# Altium PCB display.PcbDoc (part 3 of 5)
Units mm, origin at the board's own origin, x right, y up, seen from the top; angles counter-clockwise.
Board outline 150 x 85 mm, 4 copper layers (Component Side, Inner, GND1, Bottom Layer), stack 1.669 mm thick; 347 components, 347 nets, 1334 pads, 795 vias.
Unrouted connection lines stored in the file: 15.
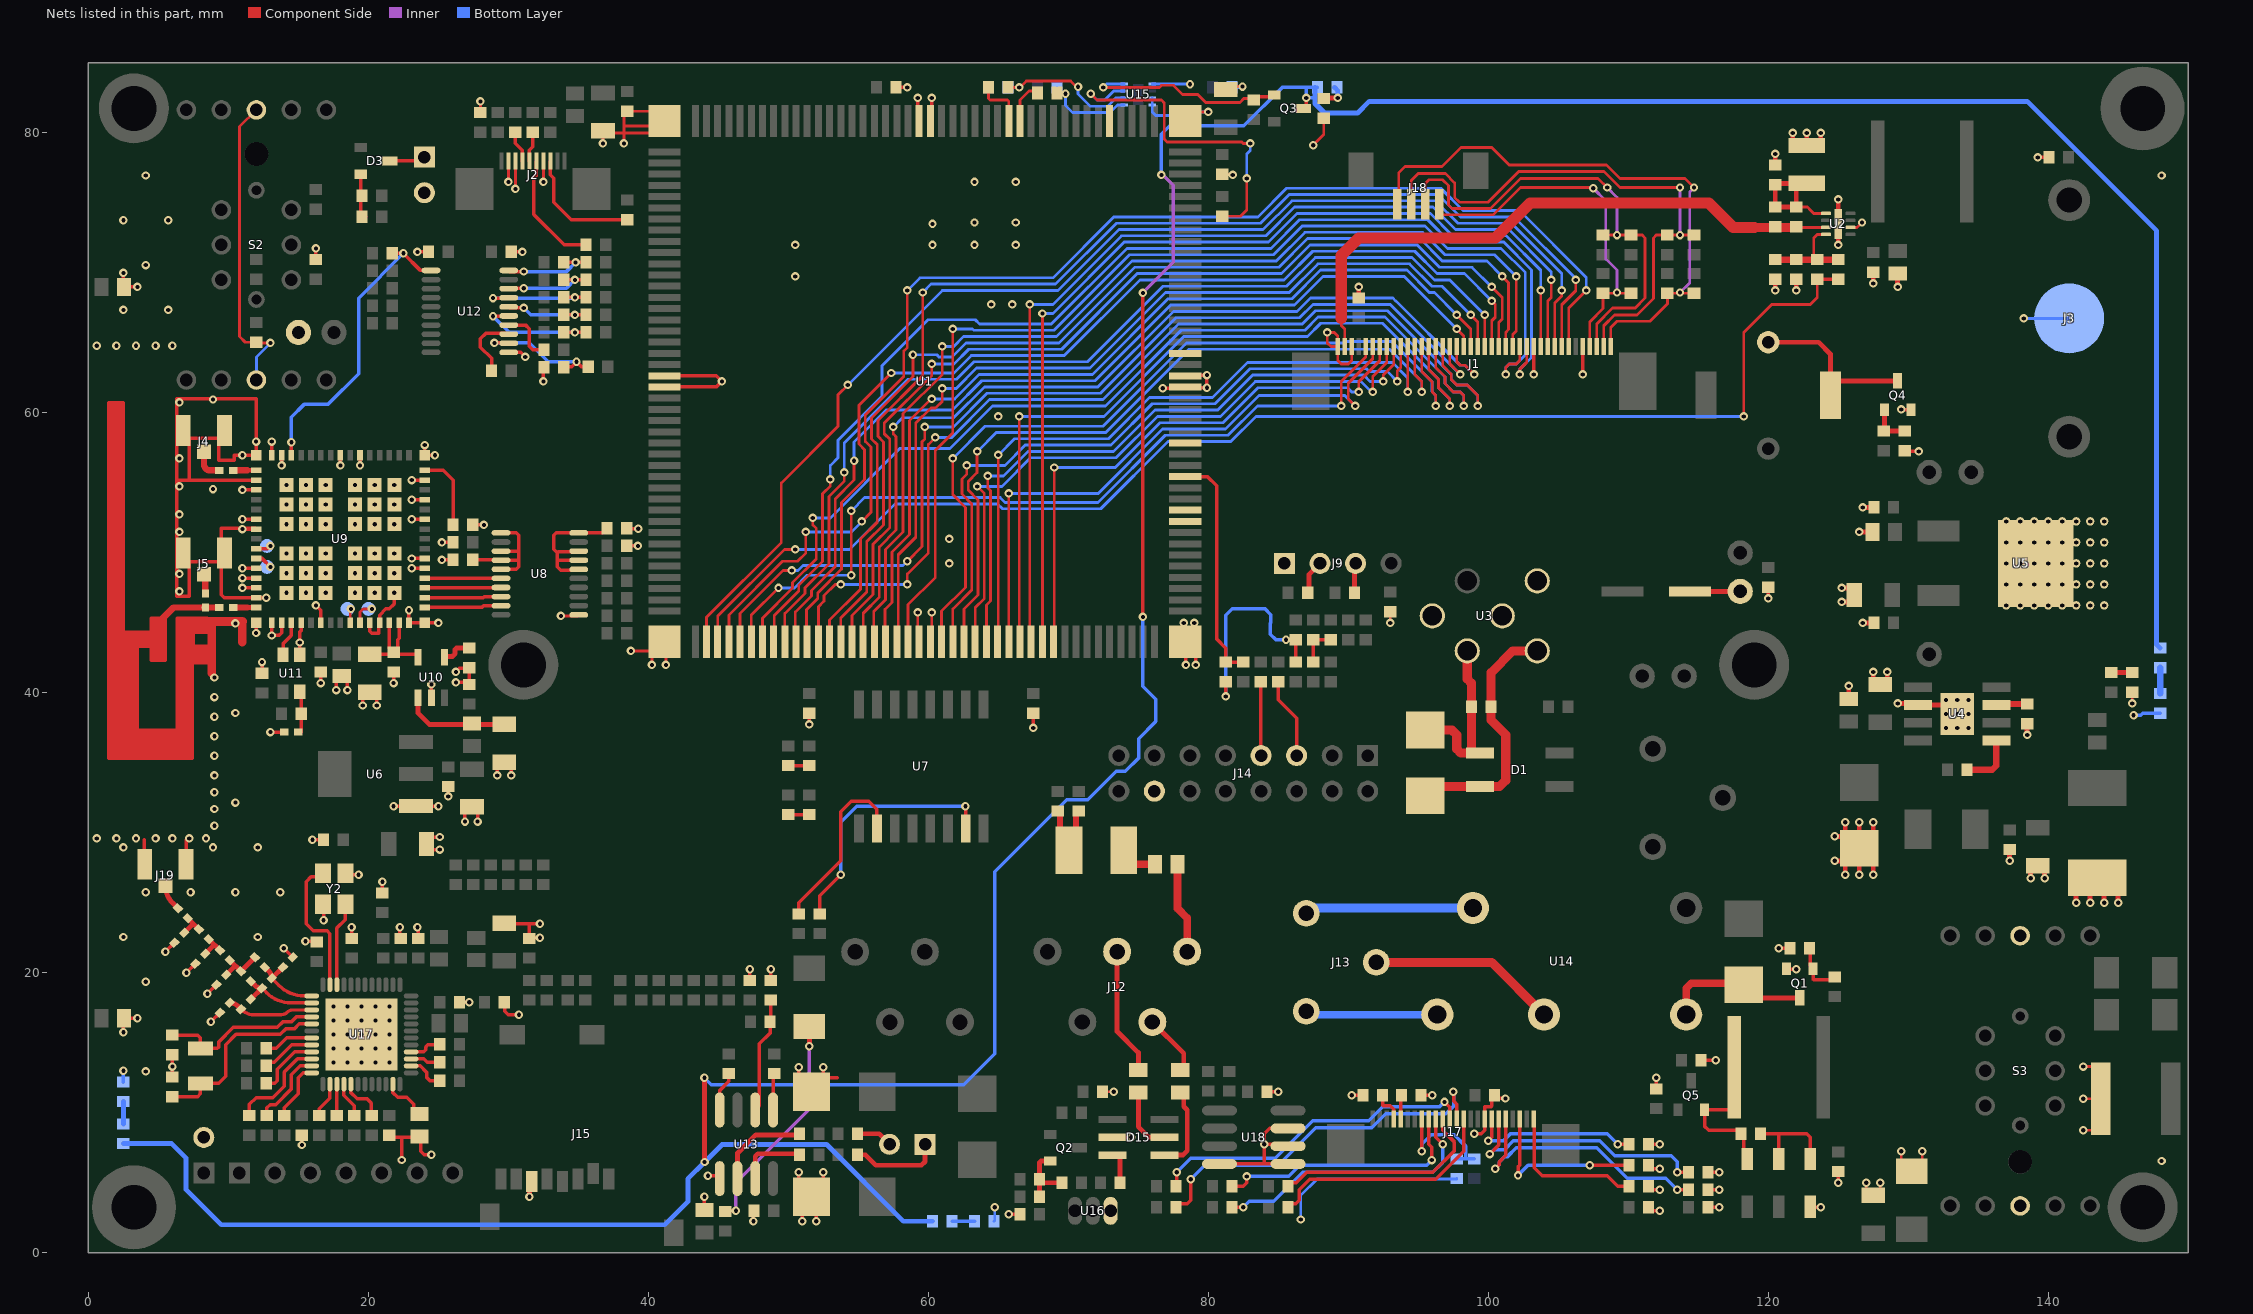
[diagram p5: the nets of this part, all layers, seen from the top]

## Via types
v1: diameter 0.6, hole 0.3, Component Side to Bottom Layer, 795 vias

## Nets (pads, with @x,y where several pads share a name; then routed paths per layer and width w, separated by ;. In a path a pad name is that pad's centre, name@x,y a point inside that pad or via, vN(x,y) a via of type N, cw(c..) or ccw(c..) an arc to the next point about the centre after c; other vN are vias at no path point) (continued)
GND: C1.2 C2.2 C3.1 C4.1 C5.1 C6.1 C7.2 C8.1 C9.2 C10.1 C11.2 C14.2 C15.2 C17.2 C18.2 C19.1 C20.2 C21.2 C22.1 C23.1 C24.1 C25.1 C26.2 C27.2 C28.1 C29.1 C30.1 C31.1 C33.1 C34.1 C35.1 C36.1 C37.1 C38.1 C39.1 C40.1 C43.1 C44.1 C45.1 C46.2 C48.2 C49.2 C50.2 C51.2 C52.1 C53.1 C54.1 C55.1 C56.1 C57.1 C58.1 C59.1 C60.1 C61.1 C62.1 C64.1 C66.2 C67.2 C68.2 C71.1 C72.1 C73.1 C74.2 C75.2 C76.2 C77.2 C78.2 C79.2 C80.2 C81.2 C82.2 C83.2 C84.2 C86.2 C87.2 C88.2 C89.2 D4.2 D11.2 D13.2 D15.5 DZ1.2 J1.1 J1.3 J1.29 J1.36 J2.2 J2.3 J2.7 J3.NEG J4.1 J4.2 J5.1 J5.2 J9.1 J10.2 J14.14 J15.6 J16.2 J17.17 J19.1 J19.2 L6.1 L7.1 L9.2 Q1.2 Q4.2 R1.1 R6.2 R21.1 R23.2 R25.1 R27.1 R33.2 R34.2 R39.2 R40.1 R41.2 R43.1 R49.1 R72.1 R73.1 R78.1 R94.1 R110.2 R111.2 R112.2 R113.2 R115.2 R137.2 R139.2 Tp8.1 Tp9.1 U1.21 U1.22 U1.63 U1.64 U1.105 U1.106 U1.147 U1.148 U1.GND U2.2 U2.9 U3.4 U3.5 U3.6 U4.6 U4.9 U5.2 U6.1 U8.11 U9.1 U9.7 U9.9 U9.15 U9.16 U9.17 U9.19 U9.20 U9.23 U9.24 U9.28 U9.29 U9.30 U9.31 U9.33 U9.34 U9.35 U9.37 U9.39 U9.44 U9.45 U9.48 U9.49 U9.54 U9.55 U9.59 U9.61 U9.63 U9.GND U10.2 U11.2 U12.11 U13.5 U15.1 U15.3 U15.4 U16.1 U17.49 U18.4 U18.5 U18.6 U18.7 Y2.2 Y2.4 | length 355.7
  Component Side w0.2: C9.2@28,81.45 v1(28,82.25) ; v1(30,76.5) J2.2@30,77.99 ; v1(30.5,76) J2.3@30.5,77.99 ; v1(32.5,76.5) J2.7@32.5,77.99 ; v1(33.75,45.5) 34.95,45.5 U8.11@35.025,45.575 ; v1(36.75,79.25) C1.2@36.75,80.15 36.9,80 38.25,80 ; v1(38.25,79.25) 38.25,80 ; v1(38.75,43) U1.GND@40.25,43 ; v1(40.25,42) U1.GND@40.25,43 ; U1.GND@41.15,43.65 40.5,43 U1.GND@40.25,43 ; v1(41.25,42) U1.GND@41.25,43 ; v1(59.25,45.75) 59.25,43.75 U1.63@59.35,43.65 ; U1.64@60.15,43.65 60.25,43.75 v1(60.25,45.75) ; C48.2@72.5,11.45 C48.2@72.45,11.5 v1(73.25,11.5) ; U1.GND@78.35,80.85 79,81.5 v1(80,81.5) ; C25.1@81,77.05 81.7,77.05 v1(81.75,77) ; C51.2@81.25,83.1 81.46,83.31 v1(82.44,83.31) ; v1(87.496,79.125) 88.25,79.879 R110.2@88.25,81.05 ; J1.3@90.25,64.74 90.25,63.75 90,63.5 89.5,63.5 89.25,63.75 J1.1@89.25,64.74 ; v1(93,45) C46.2@93,45.8 ; U2.2@125.875,73.25 126.35,73.25 v1(126.7,73.6) ; R27.1@127,4.075 v1(127,5) ; R27.1@128,4.075 v1(128,5) ; C88.2@129.5,6.325 v1(129.5,7.25) ; C88.2@131,6.325 v1(131,7.25) ; v1(142.5,8.75) C89.2@143.425,8.75 ; v1(142.5,11) C89.2@143.425,11 ; v1(142.5,13.3) C89.2@143.425,13.3 ; v1(146,39.25) R25.1@146,40.05 ; 38.25,80 40.3,80 U1.GND@40.8,80.5 ; 38.25,80 38.25,80.5 ; 38.25,80.5 38.25,81.3 C2.2@38.5,81.55 40.45,81.55 U1.GND@41.15,80.85 U1.GND@40.8,80.5 ; 38.25,80.5 U1.GND@40.8,80.5 ; J1.1@89.25,64.74 88.76,64.74 88.5,65 v1(88.5,65.75) 89,65.75 89.25,65.5 J1.1@89.25,64.74
  Component Side w0.25: v1(2.5,15.75) 2.5,16.7 L7.1@2.55,16.75 v1(3.5,16.75) ; v1(2.5,70) 2.5,69.05 L6.1@2.55,69 v1(3.5,69) ; 4,29.5 4,27.775 J19.1@4.025,27.75 ; v1(5.5,21.5) C68.2@6.146,22.146 ; C72.1@6,12.55 v1(6,13.3) ; v1(7,20) C67.2@7.646,20.646 ; v1@7,29.5 7,27.775 J19.2@7.025,27.75 ; v1(8.5,18.5) C66.2@9.146,19.146 ; v1(8.75,16.5) C74.2@9.396,17.146 ; J4.2@9.3,58.75 J4.2@9.3,58.2 ; J5.2@9.725,50 9.725,49.375 J5.2@9.5,49.375 ; J4.2@9.725,58.75 9.725,58.225 9.7,58.2 J4.2@9.3,58.2 ; v1(11,47.5) U9.30@11.975,47.5 ; v1(11,48.2) U9.29@11.975,48.2 ; v1(11,48.9) U9.28@11.975,48.9 ; v1(11,51.7) U9.24@11.975,51.7 11.925,51.75 9.5,51.75 J5.2@9.5,49.375 ; v1(11,52.4) U9.23@11.975,52.4 ; v1(11,54.5) U9.20@11.975,54.5 ; v1(11.975,44.275) U9.33@11.975,45.025 ; U9.19@11.975,55.2 7.2,55.2 ; C40.1@12.4,41.4 v1(12.4,42.2) ; v1(12.7,46.8) U9.31@11.975,46.8 9.7,46.8 9.5,47 J5.2@9.5,49.375 ; v1(13,37.2) R43.1@13.8,37.2 ; U9.34@13.1,45.025 v1(13.1,44.1) 13.6,44.1 13.8,44.3 U9.35@13.8,45.025 ; U9.16@13.1,56.975 v1(13.1,57.95) ; v1(13.8,56.25) U9.15@13.8,56.975 ; v1(13.957,21.75) C62.1@14.604,21.104 ; U11.2@15.1,42.8 v1(15.1,43.6) 15.1,44.35 15.2,44.45 U9.37@15.2,45.025 ; v1(15.25,7.7) C58.1@15.25,8.4 ; v1(15.5,22.25) 16.25,22.25 C61.1@16.3,22.2 ; v1(16,29.5) C29.1@16.8,29.5 ; v1(16.25,46.25) 16.6,45.9 U9.39@16.6,45.025 ; R94.1@16.25,70.95 v1(16.25,71.75) ; v1(16.6,40.7) C39.1@16.6,41.5 ; Y2.4@16.75,24.9 16.8,24.85 v1(16.8,23.75) ; v1(17.7,40.2) C38.1@17.7,41 ; v1(18,56.25) U9.9@18,56.975 ; Y2.2@18.35,27.1 18.45,27 v1(19.3,27) ; v1(18.5,40.2) C38.1@18.5,41 ; C60.1@18.8,22.45 v1(18.8,23.25) ; v1(19.4,56.25) U9.7@19.4,56.975 ; v1(19.6,39.1) C36.1@19.6,39.9 ; U9.44@20.1,45.025 20.1,44.4 20.25,44.25 20.75,44.25 20.75,44.975 U9.45@20.8,45.025 20.8,45.55 21.25,46 21.5,46 21.85,46.35 v1(21.85,47.15) ; v1(20.6,39.1) C36.1@20.6,39.9 ; C64.1@21,25.7 v1(21,26.5) ; C56.1@21.5,8.4 21.65,8.25 22.375,8.25 ; v1(21.8,31.9) U6.1@22.6,31.9 ; v1(21.8,40.7) C35.1@21.8,41.5 ; v1@22.25,6.5 v1(22.375,6.625) 22.375,8.25 ; v1(22.25,23.25) 22.25,22.5 C54.1@22.3,22.45 ; v1(22.9,45.9) U9.48@22.9,45.025 U9.49@24.025,45.025 24.975,45.025 v1(25,45) ; v1@23,49 v1(23.1,48.9) U9.54@24.025,48.9 ; C73.1@23.1,8.25 22.375,8.25 ; v1(23.1,49.6) U9.55@24.025,49.6 ; v1(23.1,52.4) U9.59@24.025,52.4 ; v1(23.1,53.8) U9.61@24.025,53.8 ; v1(23.1,55.2) U9.63@24.025,55.2 ; v1(23.5,23.25) 23.55,23.2 C55.1@23.55,22.45 ; v1(23.5,71.5) C44.1@24.3,71.5 ; C73.1@23.65,8.3 24.085,8.3 23.75,7.965 23.75,7.25 24,7 v1(24.5,7) ; v1(24.025,57.7) U9.1@24.025,56.975 v1(24.75,56.975) ; U6.1@24.2,31.9 v1(25,31.9) ; C27.2@24.3,28.8 v1(25.1,28.8) ; C27.2@24.3,29.7 v1(25.1,29.7) ; U10.2@24.5,39.8 v1(24.5,40.6) ; v1(25.25,49.5) R33.2@26.05,49.5 ; v1(25.25,50.75) C33.1@26.05,50.75 ; v1(25.7,32.6) C28.1@25.7,33.4 ; v1(26.25,40.75) 26.85,40.75 27.1,40.5 R40.1@27.2,40.6 R40.1@27.2,40.7 ; v1@26.4,41.5 v1(26.25,41.5) 26.5,41.75 27.15,41.75 R41.2@27.2,41.8 R40.1@27.2,40.7 ; C57.1@26.45,17.85 C57.1@26.5,17.9 ; C57.1@26.6,18 C57.1@26.5,17.9 ; v1(26.9,30.8) C26.2@26.9,31.6 ; R40.1@27.15,40.75 R40.1@27.2,40.7 ; v1(27.2,17.9) C57.1@26.5,17.9 ; R39.2@27.45,52 v1(28.25,52) ; v1(27.8,30.8) C26.2@27.8,31.6 ; v1(29.2,34.1) C37.1@29.2,34.9 ; C59.1@29.7,17.9 29.75,17.85 29.75,17.25 30,17 v1(30.75,17) ; C49.2@29.7,23.55 29.75,23.5 31.5,23.5 ; U12.11@30.025,64.325 30.875,64.325 v1(31.2,64) ; v1(30.2,34.1) C37.1@30.2,34.9 ; C43.1@30.2,71.5 v1(31,71.5) ; v1(32.25,22.5) 31.45,22.5 31.5,22.55 31.5,23.5 ; v1(32.25,23.5) 31.5,23.5 ; v1(32.5,62.25) 32.5,63.2 R49.1@32.55,63.25 ; C34.1@38.45,50.5 v1(39.25,50.5) ; R34.2@38.45,51.75 38.473,51.727 v1(39.273,51.727) ; U1.22@41.15,61.85 44.85,61.85 v1(45.25,62.25) 44.85,62.65 U1.21@41.15,62.65 ; L9.2@44,3.2 v1(44,4) ; v1(44.25,5.5) U13.5@45.2,5.5 ; U13.5@45,5.205 U13.5@45.095,5.3 ; R73.1@47.25,19.3 v1(47.25,20.25) ; v1(47.5,2.25) 47.5,2.95 C45.1@47.55,3 ; R72.1@48.75,19.3 v1(48.75,20.25) ; D11.2@50.75,4.8 v1(50.75,5.75) ; D13.2@50.75,12.3 v1(50.75,13.25) ; v1(51,2.25) D11.2@51,3.2 ; v1(51.5,37.75) C31.1@51.5,38.55 ; v1(52,2.25) D11.2@52,3.2 ; D11.2@52.5,4.8 v1(52.5,5.75) ; D13.2@52.5,12.3 v1(52.5,13.25) ; D13.2@52.55,12.5 53.5,12.5 ; R1.1@57.7,83.25 v1(58.5,83.25) ; v1(59.25,82.5) 59.25,80.95 U1.148@59.35,80.85 ; U1.147@60.15,80.85 60.25,80.95 v1(60.25,82.5) ; v1(65.75,2.75) C53.1@66.55,2.75 ; v1(67.5,37.5) C30.1@67.5,38.55 ; D15.5@73.14,8.25 v1(74.5,8.25) ; v1(76.746,61.754) 78.254,61.754 U1.105@78.35,61.85 ; U1.GND@78.25,43.5 v1(78.25,45) ; U1.106@78.35,62.65 78.4,62.7 v1(79.9,62.7) v1(79.9,61.8) U1.105@78.4,61.8 ; v1(78.4,42) U1.GND@78.4,43.5 ; U1.GND@79,43.5 v1(79,45) ; v1(79.1,42) U1.GND@79.1,43.5 ; U18.4@80.8,6.345 84,6.345 ; C87.2@84.2,11.5 v1(85,11.5) ; U18.5@85.7,6.345 84,6.345 ; U18.6@85.7,7.615 85.565,7.75 v1(84,7.75) ; U18.7@85.7,8.885 84.385,8.885 84,8.5 v1(84,7.75) ; v1(90.25,11.25) C75.2@91.05,11.25 ; C76.2@95.2,11.25 v1(96,11.25) ; v1(99,8.5) 99.5,8.5 99.75,8.75 J17.17@99.75,9.56 99.75,10.45 100.2,10.45 100.25,10.5 C77.2@100.25,10.95 ; C77.2@100.2,11.25 100.25,11.2 C77.2@100.25,10.95 ; v1(101.225,11.025) 100.325,11.025 C77.2@100.25,10.95 ; v1(103.25,62.75) J1.29@103.25,64.74 ; v1(106.75,62.75) J1.36@106.75,64.74 ; C83.2@111.45,3.25 111.7,3 v1(112.25,3) ; C84.2@111.45,4.75 111.7,4.5 v1(112.25,4.5) ; C82.2@111.45,6.25 111.7,6 v1(112.25,6) ; C78.2@111.45,7.75 v1(112.25,7.75) ; R137.2@112,11.7 v1(112,12.5) ; R139.2@115.2,13.75 v1(116.25,13.75) ; C81.2@115.7,3.25 v1(116.5,3.25) ; C80.2@115.7,4.5 v1(116.5,4.5) ; C79.2@115.7,5.75 v1(116.5,5.75) ; v1(120,46.75) C10.1@120,47.55 ; v1(120.75,21.75) R78.1@121.55,21.75 ; Q1.2@121.3,20.288 121.338,20.25 v1(122,20.25) ; D4.2@123,3.3 123.05,3.25 v1(123.75,3.25) ; v1(125,5) C86.2@125,5.8 ; v1(129.5,60.25) 129.538,60.212 Q4.2@130.2,60.212 ; R115.2@129.75,57.3 129.8,57.25 v1(130.75,57.25) ; v1(139.25,78.25) C24.1@140.05,78.25 ; v1(6,13.3) C71.1@6,14.15 v1(6,13.3) ; 6.3,55.2 6.3,61 11.975,61 v1(11.975,57.95) U9.17@11.975,56.975 v1(11,56.975) 10.4,56.975 10.4,56.6 9.3,56.6 J4.2@9.3,58.2 ; 6.3,55.2 6.3,46.9 7.2,46.9 7.2,49.375 J5.2@9.5,49.375 ; 6.3,55.2 7.2,55.2 ; 7.2,55.2 7.2,58.2 J4.2@9.3,58.2 ; 84,6.345 v1(84,7.75)
  Component Side w0.35: v1(31.5,4) 31.5,4.91 J15.6@31.665,5.075 ; C7.2@90.75,68.2 v1(90.75,69) ; C11.2@114.4,47.25 Tp9.1@118,47.25 ; v1(120.5,68.75) R6.2@120.5,69.55 ; C6.1@120.5,77.7 v1(120.5,78.5) ; C5.1@121.75,79.2 v1(121.75,80) ; v1(122,68.75) C8.1@122,69.55 ; C5.1@122.75,79.2 v1(122.75,80) ; C5.1@123.75,79.2 v1(123.75,80) ; v1(124.75,28) DZ1.2@125.7,28 ; v1(124.75,29.75) DZ1.2@125.7,29.75 ; v1(125,72) U2.9@125,73.5 v1(125,75.25) ; v1(125.25,46.5) C21.2@126.2,46.5 ; v1(125.25,47.5) C21.2@126.2,47.5 ; v1(125.5,27) DZ1.2@125.5,27.95 ; DZ1.2@125.5,29.8 v1(125.5,30.75) ; C15.2@125.75,39.55 v1(125.75,40.5) ; v1(126.5,27) DZ1.2@126.5,27.95 ; DZ1.2@126.5,29.8 v1(126.5,30.75) ; v1(126.5,51.5) C20.2@127.45,51.5 ; v1(126.75,45) C23.1@127.7,45 ; v1(126.75,53.25) C22.1@127.55,53.25 ; v1(127.5,27) DZ1.2@127.5,27.95 ; DZ1.2@127.5,29.8 v1(127.5,30.75) ; C14.2@127.5,40.55 v1(127.5,41.5) ; v1(127.5,69.25) C3.1@127.5,70.05 ; C14.2@128.5,40.55 v1(128.5,41.5) ; v1(129.25,39.25) U4.6@130.2,39.25 ; v1(129.25,69) C4.1@129.25,69.8 ; U4.6@130.7,39.135 133.135,39.135 U4.9@133.5,39.5 ; v1(137.25,28) C19.1@137.25,28.8 ; v1(138.5,37) R21.1@138.5,37.8 ; v1(138.75,26.75) C18.2@138.75,27.7 ; v1(139.75,26.75) C18.2@139.75,27.7 ; v1(142,25) C17.2@142,25.95 ; v1(143,25) C17.2@143,25.95 ; v1(144,25) C17.2@144,25.95 ; v1(145,25) C17.2@145,25.95
  Component Side w0.61: 8.8,41.4 8.8,45.1 ; 11,43.6 11,45.1
  Component Side w0.67: 8.5,45.1 8.8,45.1 11,45.1
  Bottom Layer w0.2: R111.2@64.7,2.25 64.75,2.3 v1(64.75,3.25) ; U15.3@76,82.5 U15.4@76,82 76,81.5 76.25,81.25 78.25,81.25 78.5,81.5 v1(80,81.5) ; U15.1@76,83.5 78.665,83.5 v1(78.69,83.475) ; C52.1@81.7,83.25 82.381,83.25 v1(82.44,83.31) ; v1(86.6,2.381) 86.6,4.095 87.78,5.275 97.75,5.275 R23.2@97.75,5.3 ; v1(138.25,66.75) J3.NEG@141.5,66.75
  Bottom Layer w0.25: R112.2@2.5,12.2 v1(2.5,13) ; v1(146.1,38.4) 146.6,38.4 146.75,38.55 R113.2@148,38.55
  other v1: 148.099,6.559 4.099,12.959 4.099,19.359 2.499,22.559 12.099,22.559 4.099,25.759 7.299,25.759 10.499,25.759 13.699,25.759 2.499,28.959 8.899,28.959 12.099,28.959 0.6,29.6 2,29.6 3.4,29.6 4.8,29.6 6,29.6 7.2,29.6 8.4,29.6 9,30.5 9,31.7 10.499,32.159 9,32.9 9,34.1 9,35.5 9,36.9 9,38.3 10.499,38.559 9,39.7 9,41.1 10.499,44.959 14.15,47.15 15.55,47.15 16.95,47.15 19.05,47.15 20.45,47.15 6.5,47.25 6.5,48.5 14.15,48.55 15.55,48.55 16.95,48.55 19.05,48.55 20.45,48.55 21.85,48.55 61.5,49.25 14.15,49.95 15.55,49.95 16.95,49.95 19.05,49.95 20.45,49.95 21.85,49.95 61.5,51 6.5,51.5 14.15,52.05 15.55,52.05 16.95,52.05 19.05,52.05 20.45,52.05 21.85,52.05 6.5,52.75 14.15,53.45 15.55,53.45 16.95,53.45 19.05,53.45 20.45,53.45 21.85,53.45 8.899,54.559 6.5,54.75 14.15,54.85 15.55,54.85 16.95,54.85 19.05,54.85 20.45,54.85 21.85,54.85 6.5,56.75 65,59.75 6.5,60.75 8.899,60.959 0.6,64.8 2,64.8 3.4,64.8 4.8,64.8 6,64.8 2.499,67.359 5.699,67.359 64.5,67.75 66,67.75 50.5,69.75 4.099,70.559 50.5,72 60.3,72 63.3,72 66.25,72 60.3,73.5 63.3,73.6 66.25,73.6 2.499,73.759 5.699,73.759 63.3,76.5 66.25,76.5 4.099,76.959 148.099,76.959
irq: R63.2 U9.14 U12.1 | length 22
  Component Side w0.25: U9.14@14.5,56.975 v1(14.5,57.9) ; R63.2@21.7,71.4 v1(22.5,71.4) 23.725,70.175 U12.1@24.475,70.175
  Bottom Layer w0.25: v1(14.5,57.9) 14.5,59.7 15.4,60.6 17.1,60.6 19.3,62.8 19.3,68.2 v1(22.5,71.4)
JTAGSEL_V2: U1.131
LED+: J1.2 R2.1 R3.1 U2.7 | length 43.6
  Component Side w0.2: 89.5,66.75 89.5,66.25 89.75,66 J1.2@89.75,64.74 ; R2.1@122.05,73.25 U2.7@124.125,73.25
  Component Side w0.35: R2.1@122,73.3 R2.1@122.05,73.25
  Component Side w0.65: 119,73.25 121.95,73.25 R2.1@122,73.3
  Component Side w0.8: 89.5,66.75 89.5,71.25 90.75,72.5 100.5,72.5 103,75 115.75,75 117.5,73.25 119,73.25
NetBUZ1_2: BUZ1.2 BUZ2.2 Q4.3 | length 12.6
  Component Side w0.35: BUZ1.2@120,65.05 123.6,65.05 124.45,64.2 BUZ2.2@124.45,62.25 ; BUZ2.2@124.45,61.25 BUZ2.2@124.45,62.25 ; Q4.3@129.25,62.288 124.488,62.288 BUZ2.2@124.45,62.25
NetC5_2: C5.2 C6.2 R2.2 R3.2 U2.5 | length 9.3
  Component Side w0.2: R2.2@122,74.7 122.8,74.7 123,74.5 123.25,74.25 U2.5@124.125,74.25
  Component Side w0.35: C5.2@122,76.3 R2.2@122,74.7 R3.2@120.5,74.7 C6.2@120.5,76.3 120.6,76.4 C5.2@122.75,76.4
NetC8_2: C8.2 R4.1 R5.2 R6.1 U2.8 | length 7
  Component Side w0.2: R5.2@123.25,70.95 123.25,72.5 123.5,72.75 U2.8@124.125,72.75
  Component Side w0.45: R6.1@120.5,70.95 R4.1@125,70.95
NetC13_1: C13.1 D1.- D2.2 U3.2 | length 18.3
  Component Side w0.65: D2.2@95.5,32.651 96.149,33.3 D1.-@99.4,33.3 100.8,33.3 101.25,33.75 101.25,37 100.2,38.05 C13.1@100.2,39 ; C13.1@100.2,39 100.2,41.45 101.75,43 U3.2@103.5,43
NetC13_2: C13.2 D1.+ D2.1 U3.1 | length 12.6
  Component Side w0.65: D2.1@95.5,37.35 97.4,37.35 97.75,37 97.75,36 98.05,35.7 D1.+@98.8,35.7 ; U3.1@98.5,43 98.5,41 98.8,40.7 C13.2@98.8,39 D1.+@98.8,35.7 ; D1.+@99.4,35.7 D1.+@98.8,35.7
NetC16_1: C16.1 U4.1 | length 4
  Component Side w0.45: C16.1@134.2,34.5 136,34.5 136.3,34.8 U4.1@136.3,36.595
NetC32_2: C32.2 R30.2 | length 16.1
  Component Side w0.25: R30.2@45.5,2.95 45.55,3 v1(46.25,3)
  Component Side w0.35: v1(51.5,14.75) C32.2@51.5,16.175
  Inner w0.25: v1(46.25,3) 46.25,5 51.5,10.25 v1(51.5,14.75)
NetC35_2: C35.2 C36.2 U9.46 U9.47 U10.5 | length 8.1
  Component Side w0.25: C36.2@20.1,42.75 23.35,42.75 U10.5@23.55,42.55 ; U9.46@21.5,45.025 21.5,43.2 C35.2@21.8,42.9 22.1,43.2 22.1,43.8 22.2,43.9 U9.47@22.2,45.025
NetC37_2: C37.2 L10.1 U10.1 | length 7.6
  Component Side w0.35: U10.1@23.55,39.65 23.55,38.55 24.35,37.75 C37.2@29.7,37.75
NetC41_1: C41.1 U9.32 | length 1.6
  Component Side w0.35: 11.35,46.1 U9.32@11.975,46.1
  Component Side w0.457: C41.1@10.35,46.1 11.35,46.1
NetC41_2: C41.2 R26.2 U19.1 | length 1
  Component Side w0.457: R26.2@8.35,46.1 9,46.1 C41.2@9.35,46.1
NetC42_1: C42.1 U9.18 | length 1.6
  Component Side w0.35: 11.35,55.9 U9.18@11.975,55.9
  Component Side w0.457: C42.1@10.35,55.9 11.35,55.9
NetC42_2: C42.2 J4.3 | length 2.2
  Component Side w0.45: J4.3@8.25,57.225 8.25,56.362 ccw(c8.762,56.362) 8.4,56 ccw(c8.641,56.241) 8.641,55.9 C42.2@9.35,55.9
NetC47_1: C47.1 J7.1 | length 6.5
  Component Side w0.35: C47.1@54.95,7 55.5,7 56.25,6.25 59.5,6.25 59.77,6.52 J7.1@59.77,7.75
NetC62_2: C62.2 L17.1 L20.1 U17.1 | length 5.3
  Component Side w0.25: L20.1@13.104,19.604 13.606,19.101 ccw(c15.42,20.915) 15.42,18.35 U17.1@15.95,18.35
  Component Side w0.35: L17.1@12.604,20.396 12.896,20.104 cw(c12.396,19.604) L20.1@13.104,19.604 C62.2@13.896,20.396
NetC63_1: C63.1 C68.1 L18.2 | length 2
  Component Side w0.35: C68.1@6.854,22.854 7.5,23.5 ; C63.1@7.104,23.896 7.5,23.5 ; L18.2@7.896,23.104 7.5,23.5
NetC63_2: C63.2 J19.3 | length 1.9
  Component Side w0.35: J19.3@5.5,26.225 ccw(c7.25,26.225) 6.013,24.987 C63.2@6.396,24.604
NetC66_1: C66.1 C70.2 L17.2 L19.1 | length 3.4
  Component Side w0.35: C66.1@9.854,19.854 10.5,20.5 ; L19.1@10.104,20.896 C70.2@10.896,20.104 L17.2@11.896,21.104
NetC67_1: C67.1 L18.1 L19.2 | length 2
  Component Side w0.35: C67.1@8.354,21.354 9,22 ; L18.1@8.604,22.396 L19.2@9.396,21.604
NetC70_1: C70.1 L20.2 L21.2 U17.2 | length 6
  Component Side w0.25: L20.2@12.396,18.896 12.692,18.601 ccw(c14.506,20.415) 14.506,17.85 U17.2@15.95,17.85
  Component Side w0.35: L21.2@11.604,18.104 L20.2@12.396,18.896 cw(c12.396,19.604) 11.896,19.104 C70.1@11.604,19.396
NetC71_2: C71.2 U17.4 Y1.1 | length 11.9
  Component Side w0.25: C71.2@6,15.55 7.8,15.55 8,15.35 Y1.1@8,14.6 9.2,14.6 9.3,14.7 9.3,15.062 10.338,16.1 13.5,16.1 13.89,16.49 14.5,16.49 14.86,16.85 U17.4@15.95,16.85
NetC72_2: C72.2 U17.5 Y1.2 | length 13.9
  Component Side w0.25: C72.2@6,11.15 7.8,11.15 8,11.35 Y1.2@8,12.1 9.3,12.1 9.8,12.6 9.8,14.855 10.545,15.6 13.707,15.6 14.097,15.99 14.707,15.99 15.068,16.35 U17.5@15.95,16.35
NetC73_2: C73.2 U17.23 | length 3.2
  Component Side w0.25: U17.23@21.75,12.05 21.75,11.45 22.1,11.1 22.75,11.1 23.25,10.6 C73.2@23.25,9.9
NetC74_1: C74.1 L21.1 U17.3 | length 6.2
  Component Side w0.24: 12.8,17.015 13.789,17.015 ccw(c13.789,17.587) 14.193,17.182 cw(c14.586,16.79) 14.32,17.277 cw(c14.586,16.79) 14.446,17.327 cw(c14.586,16.79) 14.586,17.345 15.945,17.345 U17.3@15.95,17.35
  Component Side w0.25: L21.1@10.896,17.396 ccw(c11.854,18.354) 11.07,17.25 ccw(c11.854,18.354) 11.653,17.015 12.8,17.015
  Component Side w0.35: C74.1@10.104,17.854 cw(c10.104,17.043) 10.677,17.616 L21.1@10.896,17.396
NetC75_1: C75.1 J17.4 | length 2.3
  Component Side w0.25: C75.1@92.45,11.25 92.45,10.55 92.5,10.5 93,10.5 93.25,10.25 J17.4@93.25,9.56
NetC76_1: C76.1 J17.5 | length 1.8
  Component Side w0.25: J17.5@93.75,9.56 93.75,10.95 C76.1@94.05,11.25
NetC78_1: C78.1 J17.18 | length 12.2
  Component Side w0.25: v1(100,8) 100.25,8.25 J17.18@100.25,9.56 ; v1(109.25,7.75) C78.1@110.05,7.75
  Bottom Layer w0.25: v1(100,8) 101.086,8 101.586,8.5 108.5,8.5 v1(109.25,7.75)
NetC79_1: C79.1 J17.19 | length 18.7
  Component Side w0.25: v1(100.1,7.05) 100.75,7.7 J17.19@100.75,9.56 ; v1(113.5,5.75) C79.1@114.3,5.75
  Bottom Layer w0.25: v1(100.1,7.05) 100.428,7.378 101.171,7.378 101.793,8 107.957,8 109.032,6.925 113.075,6.925 113.5,6.5 v1(113.5,5.75)
NetC80_1: C80.1 J17.20 | length 19.7
  Component Side w0.25: v1(100.5,6) 100.778,6.278 100.778,6.483 101.25,6.955 J17.20@101.25,9.56 ; v1(113.5,4.5) C80.1@114.3,4.5
  Bottom Layer w0.25: v1(100.5,6) 100.778,6.278 100.778,6.483 101.174,6.878 101.378,6.878 102,7.5 107.75,7.5 109.925,5.325 112.675,5.325 v1(113.5,4.5)
NetC82_1: C82.1 J17.22 | length 12.3
  Component Side w0.25: v1(102.122,5.528) 102.128,5.535 102.128,6.128 102.25,6.25 J17.22@102.25,9.56 ; v1(107.25,6.25) C82.1@110.05,6.25
  Bottom Layer w0.25: v1(102.122,5.528) 102.844,6.25 v1(107.25,6.25)
NetC84_1: C84.1 J17.24 | length 10.8
  Component Side w0.25: J17.24@103.25,9.56 103.297,9.513 103.297,6.062 103.858,5.5 108.5,5.5 109.25,4.75 C84.1@110.05,4.75
NetC85_1: C85.1 D4.1 D5.2 | length 7
  Component Side w0.25: C85.1@119.45,8.5 120.75,8.5 ; D5.2@120.75,6.7 120.75,8.5 ; D4.1@123,6.7 123,8.25 122.75,8.5 120.75,8.5
NetC85_2: C85.2 D7.1 L5.2 Q5.2 | length 11.1
  Component Side w0.25: L5.2@117.575,13.25 117.75,13.075 117.75,10.212 Q5.2@115.45,10.212 115.45,9.05 115.75,8.75 C85.2@117.75,8.75 ; C85.2@118.05,8.5 118.25,8.3 118.25,6.7 D7.1@118.5,6.7
NetD3_2: D3.2 R74.2 R75.1 | length 3.2
  Component Side w0.25: D3.2@19.462,77.05 19.462,74.338 R75.1@19.8,74
NetD3_3: D3.3 J10.1 | length 2.6
  Component Side w0.25: D3.3@21.538,78 23.73,78 J10.1@24,78.27
NetD6_2: D6.2 R25.2 | length 1.5
  Component Side w0.35: D6.2@144.5,41.45 R25.2@146,41.45
NetD9_1: D9.1 R31.1 | length 1.5
  Component Side w0.25: R31.1@50,34.8 D9.1@51.5,34.8
NetD10_1: D10.1 R32.1 | length 1.5
  Component Side w0.25: R32.1@50,31.3 D10.1@51.5,31.3
NetD14_2: D14.2 Q1.3 U14.T1 | length 10.1
  Component Side w0.35: D14.2@118.151,19.25 D14.2@118.188,19.212 ; D14.2@118.188,18.212 Q1.3@122.25,18.212
  Component Side w0.55: U14.T1@114.14,17.015 114.14,18.89 114.5,19.25 D14.2@118.151,19.25
NetD15_1: D15.1 L12.1 | length 6
  Component Side w0.35: D15.1@76.86,6.98 78.18,6.98 78.5,7.3 78.5,10.2 78.25,10.45 L12.1@78.25,11.45
NetD15_2: D15.2 L13.1 | length 4.6
  Component Side w0.35: L13.1@75,11.45 75,9 75.75,8.25 D15.2@76.86,8.25
NetD15_6: D15.6 R85.2 | length 2.5
  Component Side w0.35: D15.6@73.14,6.98 73.7,6.98 R85.2@73.7,5
NetD16_1: D16.1 D17.1 D18.1 D19.1 Q3.3 | length 278.7
  Component Side w0.25: v1(75.325,45.425) v1(75.325,68.575) ; Q3.3@86.787,81.75 86.75,81.787 87,82.038 v1(87,82.5)
  Component Side w0.35: v1(44,12.5) 44.016,12.484 v1(44.016,6.484)
  Inner w0.25: v1(75.325,68.575) 77.5,70.75 77.5,76.25 76.75,77 v1(76.65,77)
  Bottom Layer w0.25: v1(44,12.5) 44.5,12 62.543,12 64.75,14.207 64.75,27.207 69.898,32.355 71.394,32.355 73.434,34.395 74.076,34.395 75.025,35.344 75.025,36.73 76.25,37.955 76.25,39.543 75.325,40.468 v1(75.325,45.425) ; v1(76.65,77) 76.65,79.9 77.25,80.5 82.545,80.5 85.295,83.25 87.625,83.25 D16.1@87.8,83.25 ; 87,83.125 v1(87,82.5) 87.625,82.5
  Bottom Layer w0.35: D18.1@2.5,7.8 5.95,7.8 6.965,6.785 6.965,4.535 9.5,2 41.167,2 42.825,3.658 42.825,5.292 v1(44.016,6.484) 45.269,7.736 52.736,7.736 58.222,2.25 D17.1@60.3,2.25 ; D16.1@87.625,83.25 87.625,82.5 87.625,82.105 88.305,81.425 90.675,81.425 91.5,82.25 138.5,82.25 147.75,73 147.75,43.45 D19.1@148,43.2
NetD16_2: D16.2 R110.1 | length 1.9
  Component Side w0.35: R110.1@88.25,82.45 88.3,82.5 v1(89.25,82.5)
  Bottom Layer w0.35: D16.2@89,83.25 89.025,83.25 89.25,83.025 v1(89.25,82.5)
NetD17_2: D17.2 R111.1 | length 1.6
  Bottom Layer w0.25: D17.2@61.7,2.25 R111.1@63.3,2.25
NetD18_2: D18.2 R112.1 | length 1.6